# Altium PCB watchy-1.0.PcbDoc (continued)
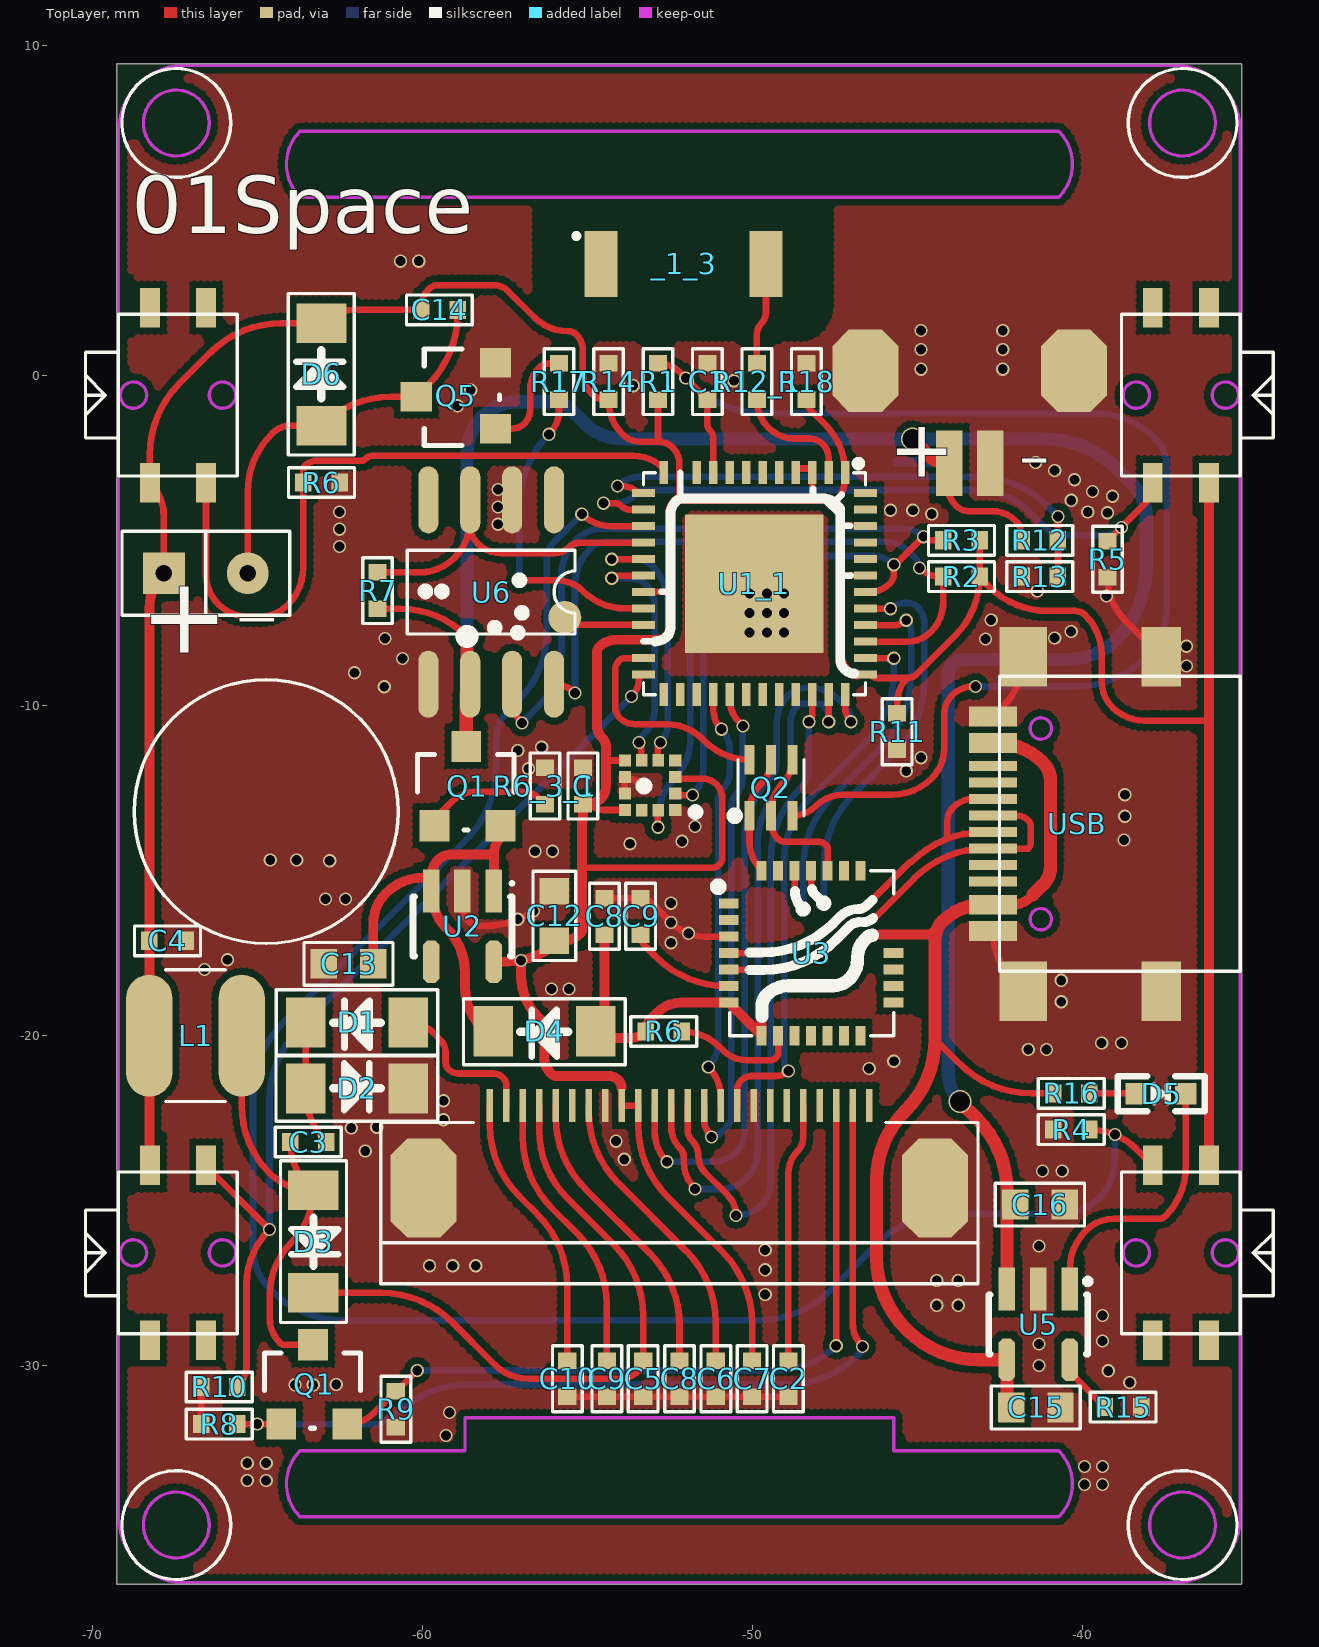
[diagram p0: TopLayer view]
## Nets (pads, with @x,y where several pads share a name; then routed paths per layer and width w, separated by ;. In a path a pad name is that pad's centre, name@x,y a point inside that pad or via, vN(x,y) a via of type N, cw(c..) or ccw(c..) an arc to the next point about the centre after c; other vN are vias at no path point) (continued)
  BottomLayer w0.2: v1(-54.525,-3.875) -54.179,-3.875 ccw(c-54.179,-3.021) -53.575,-3.625 cw(c-53.213,-3.987) -53.213,-3.475 -43.23,-3.475 cw(c-43.23,-5.78) -41.6,-4.15 -41.148,-4.603 ccw(c-40.55,-4.005) -40.55,-4.85 -39.396,-4.85 ccw(c-39.396,-4.043) v1(-38.825,-4.614)
BTN_3: ?.2@-66.575,-3.25 R6.1@-63.625,-3.25 U1_1.12 | length 21.5
  TopLayer w0.2: ?.2@-66.575,-3.25 -66.575,-6.035 ccw(c-65.295,-6.035) -66.2,-6.94 ccw(c-65.295,-6.035) -65.295,-7.315 -64.945,-7.315 ccw(c-64.945,-6.12) -64.1,-6.965 ccw(c-65.247,-5.818) -63.625,-5.818 -63.625,-2.859 cw(c-63.454,-2.859) -63.575,-2.739 cw(c-63.213,-3.101) -63.213,-2.589 -61.871,-2.589 ccw(c-61.871,-2.418) -61.75,-2.539 cw(c-61.509,-2.78) -61.509,-2.439 -53.633,-2.439 cw(c-53.633,-3.758) U1_1.12@-52.7,-2.825
BTN_4: ?.1@-66.575,-23.95 R10.1 U1_1.24 | length 29.1
  TopLayer w0.2: ?.1@-66.575,-23.95 ccw(c-66.542,-23.95) -66.565,-23.973 v1(-64.65,-25.889) ccw(c-62.966,-27.573) -65.348,-27.573 -65.348,-30 cw(c-66.287,-30) R10.1 ; v1(-53.675,-9.739) ccw(c-54.218,-9.195) -53.45,-9.195 U1_1.24@-53.45,-9.075
  BottomLayer w0.2: v1(-64.65,-25.889) -64.65,-21.984 cw(c-61.584,-21.984) -63.752,-19.816 v1(-53.675,-9.739)
BUSY: ?.9@-50.475,-22.14 U1_1.38 | length 16.7
  TopLayer w0.2: ?.9@-50.475,-22.14 -50.475,-21.672 cw(c-50.04,-21.672) -50.348,-21.364 cw(c-50.046,-21.666) -50.046,-21.239 -49.285,-21.239 ccw(c-49.285,-20.727) v1(-48.923,-21.089) ; U1_1.38@-46.45,-8.575 v1(-45.725,-8.575)
  BottomLayer w0.2: v1(-48.923,-21.089) cw(c-48.615,-20.782) -49.05,-20.782 -49.05,-14.7 cw(c-46.394,-14.7) -48.272,-12.822 -46.623,-11.173 ccw(c-48.791,-9.005) -45.725,-9.005 v1(-45.725,-8.575)
C3_1: C3.1 D1.2 D2.1 | length 3.8
  TopLayer w0.2: D1.2@-63.557,-20.112 cw(c-63.524,-20.112) D1.2@-63.548,-20.089 ; D1.2 -63.548,-21.597 cw(c-63.572,-21.597) D2.1 -63.555,-21.713 ccw(c-61.396,-21.713) C3.1
DC: ?.11@-51.475,-22.14 U1_1.29 | length 14.8
  TopLayer w0.2: ?.11@-51.475,-22.14 -51.475,-22.54 ccw(c-50.699,-22.54) v1(-51.248,-23.089) ; U1_1.29@-50.7,-9.825 ccw(c-49.733,-9.825) -50.417,-10.509 v1(-50.301,-10.625)
  BottomLayer w0.2: v1(-51.248,-23.089) ccw(c-51.248,-22.733) -50.996,-22.985 -50.787,-22.776 ccw(c-51.116,-22.446) -50.65,-22.446 -50.65,-13.061 cw(c-50.14,-13.061) -50.501,-12.7 ccw(c-50.983,-12.217) -50.471,-12.669 ccw(c-50.983,-12.217) -50.329,-12.411 ccw(c-50.983,-12.217) -50.301,-12.217 v1(-50.301,-10.625)
DIO0: 
DTR: Q2.1 Q2.5 U3.28 | length 3.6
  TopLayer w0.2: U3.28 cw(c-48.839,-14.124) -50.1,-14.124 -50.1,-13.219 cw(c-48.943,-13.219) -49.761,-12.401 ccw(c-50.512,-11.65) Q2.5
EN: C1.1 Q2.3 R1.2 U1_1.9 | length 39.1
  TopLayer w0.2: R1.2 cw(c-52.875,-0.606) -52.192,0.077 C1.1 -51.375,-1.484 ccw(c-51.119,-1.484) -51.3,-1.665 cw(c-51.541,-1.906) -51.2,-1.906 U1_1.9 ; Q2.3 ccw(c-48.8,-12.348) -48.092,-13.057 cw(c-47.267,-13.881) -47.267,-12.715 -45.782,-12.715 ccw(c-45.782,-11.008) -44.575,-12.215 ccw(c-45.48,-11.31) -44.2,-11.31 -44.2,-10.294 cw(c-43.346,-10.294) -43.95,-9.69 cw(c-43.33,-10.31) v1@-43.33,-9.433
  BottomLayer w0.2: v1(-52.031,-0.084) -51.869,-0.246 ccw(c-49.701,1.922) -49.701,-1.144 -39.657,-1.144 cw(c-39.657,-3.771) -37.8,-1.914 cw(c-38.645,-2.759) -37.45,-2.759 -37.45,-7.035 cw(c-39.572,-7.035) -38.071,-8.535 cw(c-40.24,-6.367) -40.24,-9.433 v1(-43.25,-9.433)
GDR: ?.2@-46.975,-22.14 Q1.1@-64.298,-31.789 R8.1 | length 27.8
  TopLayer w0.2: R8.1 Q1.1@-64.298,-31.789 ; ?.2@-46.975,-22.14 -46.975,-28.709 ccw(c-45.943,-28.709) v1(-46.673,-29.439)
  BottomLayer w0.2: v1(-65.023,-31.789) -61.525,-31.789 ccw(c-61.525,-30.758) -60.796,-31.487 cw(c-58.628,-33.655) -58.628,-30.589 -48.968,-30.589 ccw(c-48.968,-27.523) -46.8,-29.691 -46.761,-29.653 ccw(c-46.974,-29.439) v1(-46.673,-29.439)
GND: ?. ?.1@-42.8,-2.665 ?.1@-52.351,-13.175 ?.8 ?.9@-53.876,-12.675 ?.17 C1.2 C2.2 C4.2 C5.2 C6.2 C7.2 C8.2 C9.2 C10.2 C12.2 C13.2 C15.2 C16.2 C.2 D2.2 Q5.2 R4.2 R5.2 R6.2@-62.525,-3.25 R6_3_1.2 R8.2 R9.2 R10.2 R11.2 R13.2 R14.2 R15.2 R18.2 U1_1. U2.2 U3.3 U5.2 U6.2 U6.5 USB. USB.1 USB.12 | length 26.2
  TopLayer w0.2: R8.2 R10.2 ; U2.2 -58.8,-16.153 ccw(c-58.288,-16.153) -58.65,-16.515 ccw(c-58.228,-16.092) -58.228,-16.69 -58.15,-16.69 ccw(c-58.15,-13.974) -56.229,-15.894 -56.028,-15.693 cw(c-55.914,-15.807) C12.2@-55.914,-15.646 ; Q5.2@-57.825,0.445 ccw(c-57.74,0.445) Q5.2 ; C10.2@-55.523,-30.964 C2.2 ; C8.2@-54.5,-15.85 -53.4,-15.85 cw(c-53.4,-16.297) -53.084,-15.981 v1(-52.475,-16.59) ccw(c-51.448,-15.563) -51.448,-17.016 U3.3 ; ?.9@-53.876,-12.725 -53.876,-12.225 -53.844,-12.225 cw(c-53.844,-12.993) v1(-53.301,-12.45) ; USB.1 ccw(c-40.53,-16.845) -42.075,-18.39 USB.@-41.8,-18.665 ; USB.12 -42.44,-10.07 ccw(c-43.985,-8.525) -41.8,-8.525 cw(c-41.679,-8.404) USB.@-41.85,-8.404 ; R5.2 ccw(c-37.391,-6.125) -38.706,-7.439 USB.@-37.62,-8.525
  BottomLayer w0.2: -45.499,-2.625 -44.76,-2.625
  BottomLayer w0.3: -45.625,-2.625 -44.646,-2.625
  other v1: -39.95,-33.625 -39.4,-33.625 -65.325,-33.5 -64.75,-33.5 -39.95,-33.075 -39.4,-33.075 -65.325,-32.975 -64.75,-32.975 -59.298,-32.139 -59.198,-31.439 -63.873,-30.6 -63.323,-30.6 -62.626,-30.589 -38.576,-30.525 -39.226,-30.175 -41.323,-30.014 -41.323,-29.364 -39.401,-29.275 -39.401,-28.5 -44.423,-28.189 -43.773,-28.189 -49.626,-27.864 -44.423,-27.439 -43.773,-27.439 -49.626,-27.114 -59.798,-26.989 -59.098,-26.989 -58.398,-26.989 -49.626,-26.514 -41.323,-26.389 -41.223,-24.114 -40.623,-24.114 -53.898,-23.764 -61.748,-23.514 -54.148,-23.214 -62.173,-22.814 -61.398,-22.789 -59.375,-22.564 -59.375,-21.989 -46.473,-21.014 -45.725,-20.79 -41.65,-20.439 -41.1,-20.439 -39.425,-20.239 -38.825,-20.239 -40.65,-18.989 -56.1,-18.6 -55.575,-18.6 -40.65,-18.339 -66.623,-18.014 -65.923,-17.714 -52.475,-17.2 -51.95,-16.914 -57.125,-16.489 -56.65,-16.239 -52.475,-16 -62.951,-15.875 -62.351,-15.875 -62.826,-14.714 -64.626,-14.689 -63.826,-14.689 -56.6,-14.425 -56.075,-14.425 -53.726,-14.2 -52.151,-14.125 -38.748,-14.089 -51.751,-13.675 -38.723,-13.364 -38.723,-12.714 -45.35,-11.99 -56.8,-11.925 -44.9,-11.59 -57.125,-11.375 -56.4,-11.275 -61.173,-9.439 -62.073,-9.014 -36.85,-8.814 -60.616,-8.582 -36.85,-8.214 -42.95,-7.989 -61.15,-7.975 -40.85,-7.964 -57.125,-7.8 -50.101,-7.8 -49.576,-7.8 -49.051,-7.8 -40.35,-7.764 -57.826,-7.65 -42.775,-7.414 -57,-7.2 -50.101,-7.2 -49.576,-7.2 -49.051,-7.2 -39.275,-6.689 -50.1,-6.615 -49.575,-6.615 -49.05,-6.615 -59.926,-6.55 -59.426,-6.55 -41.375,-6.539 -62.525,-5.189 -62.525,-4.664 -57.725,-4.514 -44.575,-4.2 -39.248,-4.164 -62.525,-4.139 -39.848,-4.139 -45.825,-4.089 -45.15,-4.089 -57.725,-3.989 -40.348,-3.789 -39.098,-3.664 -39.701,-3.525 -57.725,-3.464 -40.25,-3.164 -40.85,-2.889 -41.425,-2.639 -58.95,-0.925 -58.55,-0.45 -53.625,-0.314 -50.575,-0.164 -44.9,0.186 -42.425,0.186 -44.9,0.786 -42.425,0.786 -44.9,1.361 -42.425,1.361 -60.675,3.46 -60.125,3.46
I-GND: pad. U1_1.21 | length 2.4
  TopLayer w0.2: pad. ccw(c-55.153,-6.792) -55.153,-7.565 U1_1.21
IO0: Q2.6 U1_1.23 | length 6.7
  TopLayer w0.2: U1_1.23@-53.45,-8.575 -53.893,-8.575 ccw(c-53.893,-8.797) -54.05,-8.64 ccw(c-53.748,-8.942) -54.175,-8.942 -54.175,-10.028 ccw(c-53.663,-10.028) -54.025,-10.39 ccw(c-53.578,-9.943) -53.578,-10.575 -52.611,-10.575 cw(c-52.611,-12.111) -51.525,-11.025 -51.466,-11.084 ccw(c-50.1,-9.719) Q2.6
IO14: 
IO18: 
IO23: 
IO32: 
IO34: 
IO35: 
LCD_5: ?.5@-48.475,-22.14 C2.1 | length 7.8
  TopLayer w0.2: C2.1 -48.923,-24.213 cw(c-47.898,-24.213) -48.623,-23.489 ccw(c-48.979,-23.133) -48.475,-23.133 ?.5@-48.475,-22.14
LCD_18: ?.18 C6.1 | length 9.2
  TopLayer w0.2: ?.18 -54.975,-22.317 ccw(c-51.909,-22.317) -54.077,-24.485 -52.021,-26.541 cw(c-54.189,-28.709) -51.123,-28.709 C6.1 cw(c-51.123,-29.638) C6.1@-51.282,-29.798
LCD_20: ?.20 C8.1@-52.223,-29.864 | length 9
  TopLayer w0.2: ?.20 -55.975,-22.492 ccw(c-52.909,-22.492) -55.077,-24.66 -53.121,-26.616 cw(c-55.289,-28.784) -52.223,-28.784 C8.1@-52.223,-29.864
LCD_22: ?.22 C9.1@-54.423,-29.864 | length 8.5
  TopLayer w0.2: ?.22 -56.975,-23.092 ccw(c-53.909,-23.092) -56.077,-25.26 -55.321,-26.016 cw(c-57.489,-28.184) -54.423,-28.184 C9.1@-54.423,-29.864
LCD_24: ?.24 C10.1 | length 8.6
  TopLayer w0.2: ?.24 -57.975,-22.717 ccw(c-54.909,-22.717) -57.077,-24.885 -56.521,-25.441 cw(c-58.689,-27.609) -55.623,-27.609 C10.1 ; C10.1@-55.673,-29.714 C10.1@-55.523,-29.864
LNA_IN: R12_1.1 U1_1.2 | length 3.5
  TopLayer w0.2: R12_1.1 ccw(c-48.668,-0.74) -49.521,-1.594 ccw(c-48.745,-0.818) -48.745,-1.915 -48.297,-1.915 cw(c-48.297,-2.512) -47.875,-2.09 cw(c-48.297,-2.512) -47.7,-2.512 U1_1.2@-47.7,-2.825
M-: ?.2@-65.31,-6 C14.1 D6.1 Q5.3 | length 12.1
  TopLayer w0.2: ?.2@-65.31,-6 -65.31,-3.539 cw(c-62.8,-3.539) -64.575,-1.765 cw(c-63.989,-2.351) -63.989,-1.522 D6.1 cw(c-60.968,-3.629) -60.968,-0.65 Q5.3 -59.848,-0.298 ccw(c-62.016,1.87) -58.95,1.87 C14.1
MISO: 
MOSI: ?.14 U1_1.36 | length 21.4
  TopLayer w0.2: ?.14 -52.975,-22.928 ccw(c-51.687,-22.928) v1(-52.598,-23.839) ; U1_1.36@-47.2,-9.825 -47.2,-10.078 ccw(c-46.603,-10.078) v1(-47.025,-10.5)
  BottomLayer w0.2: v1(-52.598,-23.839) -51.222,-23.839 ccw(c-51.222,-22.815) -50.498,-23.539 ccw(c-51.096,-22.941) -50.25,-22.941 -50.25,-14.096 cw(c-47.604,-14.096) -49.475,-12.225 ccw(c-49.958,-11.742) -49.275,-11.742 -49.275,-10.545 cw(c-48.08,-10.545) -48.925,-9.7 cw(c-48.382,-10.243) -48.382,-9.475 -48.25,-9.475 cw(c-48.25,-10.682) -47.396,-9.829 -47.237,-9.988 cw(c-47.749,-10.5) v1(-47.025,-10.5)
NET-(U2-PAD4): 
NET-(U2-PAD11): 
NetC9_1: C9.1@-53.4,-16.95 U3.6 | length 3.3
  TopLayer w0.2: C9.1@-53.4,-16.95 ccw(c-52.881,-16.95) -53.248,-17.317 -52.947,-17.618 ccw(c-50.779,-15.45) -50.779,-18.516 U3.6
NetD2_1: D5.1 R16.2 | length 1.4
  TopLayer w0.2: R16.2 -38.396,-21.765 cw(c-38.396,-21.8) D5.1
NetR6_2: R6.2@-52.148,-19.889 U3.9 | length 3.8
  TopLayer w0.2: R6.2@-52.148,-19.889 cw(c-52.148,-21.519) -50.995,-20.366 -50.898,-20.464 ccw(c-50.173,-19.74) -50.173,-20.764 -49.479,-20.764 ccw(c-49.479,-20.508) -49.298,-20.689 ccw(c-49.459,-20.528) -49.231,-20.528 U3.9
NetU2_2: 
NetUSB_3: 
NetUSB_4: 
NSS: 
PREVGH: ?.21 C5.1 D3.2 | length 19.9
  TopLayer w0.2: D3.2 -61.27,-27.812 cw(c-61.27,-30.878) -59.102,-28.71 -57.822,-29.989 ccw(c-56.797,-28.963) -56.797,-30.414 -54.053,-30.414 ccw(c-54.053,-29.556) -53.446,-30.163 ccw(c-53.745,-29.864) C5.1 -53.323,-28.509 ccw(c-56.389,-28.509) -54.221,-26.341 -55.623,-24.939 cw(c-53.565,-22.881) -56.475,-22.881 ?.21
PREVGL: ?.23 D1.1 | length 4.7
  TopLayer w0.2: D1.1 cw(c-60.443,-20.689) -59.683,-19.929 -59.473,-20.139 cw(c-59.851,-20.518) -59.316,-20.518 -59.316,-20.814 ccw(c-58.998,-20.814) -59.223,-21.039 ccw(c-58.921,-20.737) -58.921,-21.164 -57.874,-21.164 cw(c-57.874,-21.591) -57.573,-21.289 cw(c-57.808,-21.525) -57.475,-21.525 ?.23
PROG: R15.1 U5.5 | length 1.8
  TopLayer w0.2: U5.5 ccw(c-39.519,-29.839) -40.14,-30.461 R15.1
Q1_3: C3.2 D3.1 L1.2 Q1.3@-63.332,-29.389 | length 13.6
  TopLayer w0.2: L1.2 -65.493,-22.137 ccw(c-62.591,-22.137) -64.643,-24.189 ccw(c-63.393,-22.939) -63.393,-24.707 D3.1 ; C3.2 ccw(c-62.167,-23.239) -63.479,-24.551 D3.1 ; Q1.3@-63.332,-29.389 -64.202,-29.389 cw(c-64.202,-29.218) -64.323,-29.339 cw(c-63.538,-28.555) -64.648,-28.555 -64.648,-27.904 cw(c-62.319,-27.904) -63.966,-26.257 ccw(c-65.516,-24.707) D3.1
Q4_1: Q1.1@-59.65,-13.65 R6_3_1.1 | length 4.7
  TopLayer w0.2: Q1.1@-59.65,-13.65 cw(c-59.166,-13.65) -59.508,-13.308 -59.101,-12.9 cw(c-58.437,-13.564) -58.437,-12.625 -56.955,-12.625 cw(c-56.955,-13.302) -56.477,-12.823 R6_3_1.1 ; Q1.1@-59.625,-13.975 cw(c-58.635,-13.975) -59.335,-13.275 Q1.1@-59.325,-13.265
Q5_1: Q5.1 R17.2 | length 3.4
  TopLayer w0.2: Q5.1 -57.287,-1.615 ccw(c-57.287,-1.103) -56.925,-1.465 ccw(c-57.347,-1.043) -56.75,-1.043 -56.75,-0.429 cw(c-55.811,-0.429) -56.475,0.235 cw(c-56.173,-0.067) -56.173,0.36 R17.2
RES: ?.10@-50.975,-22.14 U1_1.28 | length 12.7
  TopLayer w0.2: v1(-51.348,-20.964) cw(c-52.247,-21.864) -50.975,-21.864 ?.10@-50.975,-22.14 ; U1_1.28@-51.2,-9.825 -51.2,-10.123 ccw(c-50.348,-10.123) v1(-50.951,-10.725)
  BottomLayer w0.2: v1(-51.348,-20.964) ccw(c-52.065,-20.247) -51.051,-20.247 -51.051,-12.887 cw(c-50.538,-12.887) -50.901,-12.525 ccw(c-51.383,-12.042) -50.701,-12.042 -50.701,-11.329 ccw(c-51.554,-11.329) v1(-50.951,-10.725)
RESE: ?.3@-47.475,-22.14 Q1.2@-62.298,-31.789 R9.1 | length 22.9
  TopLayer w0.2: Q1.2@-62.298,-31.789 ccw(c-62.298,-30.642) -61.487,-31.453 R9.1 ccw(c-60.823,-30.729) -60.78,-30.772 v1(-60.173,-30.164) ; ?.3@-47.475,-22.14 -47.475,-29.409 ccw(c-47.467,-29.409) v1(-47.473,-29.414)
  BottomLayer w0.2: v1(-60.173,-30.164) -49.283,-30.164 ccw(c-49.283,-27.604) v1(-47.473,-29.414)
RST: 
RTC_INT: R7.1 U1_1.16 U6.3 | length 10.2
  TopLayer w0.2: R7.1 -60.1,-5.975 ccw(c-60.1,-4.49) -59.05,-5.54 ccw(c-60.221,-4.369) U6.3@-58.565,-4.369 ; U6.3 -58.565,-4.571 ccw(c-57.831,-4.571) -58.35,-5.09 ccw(c-57.626,-4.366) -57.626,-5.39 -55.997,-5.39 ccw(c-55.997,-4.792) -55.575,-5.215 cw(c-55.237,-5.553) -55.237,-5.075 U1_1.16@-53.45,-5.075
RTS: Q2.2 Q2.4 U3.24 | length 4.9
  TopLayer w0.2: Q2.4 cw(c-49.802,-11.65) -49.093,-12.358 ccw(c-48.233,-13.219) -49.45,-13.219 -49.45,-13.557 ccw(c-48.767,-13.557) -49.25,-14.04 ccw(c-49.009,-13.799) -49.009,-14.14 -48.016,-14.14 cw(c-48.016,-14.481) -47.775,-14.24 cw(c-47.882,-14.347) -47.731,-14.347 U3.24
RXD: 
SCK: ?.13 U1_1.35 | length 21.1
  TopLayer w0.2: ?.13 -52.475,-22.77 ccw(c-51.528,-22.77) -52.198,-23.439 cw(c-52.439,-23.681) -52.098,-23.681 -52.098,-23.819 ccw(c-50.903,-23.819) v1(-51.748,-24.664) ; v1(-47.7,-10.5) U1_1.35@-47.7,-9.825
  BottomLayer w0.2: v1(-51.748,-24.664) -50.982,-24.664 ccw(c-50.982,-23.555) -50.198,-24.339 -50.174,-24.315 ccw(c-50.956,-23.533) -49.85,-23.533 -49.85,-14.144 cw(c-47.631,-14.144) -49.2,-12.575 ccw(c-50.045,-11.73) -48.85,-11.73 -48.85,-10.475 cw(c-48.246,-10.475) -48.673,-10.048 -48.625,-10 cw(c-48.504,-10.121) -48.504,-9.95 -47.935,-9.95 cw(c-47.935,-10.035) -47.875,-9.975 cw(c-48.297,-10.397) -47.7,-10.397 v1(-47.7,-10.5)
SCL: ?.12@-52.863,-13.187 R2.2 U1_1.39 U6.8 | length 29.5
  TopLayer w0.2: U6.8 cw(c-56.025,-10.264) v1(-55.388,-9.627) ; v1(-52.876,-13.7) ?.12@-52.876,-13.225 ; U1_1.39@-46.45,-8.075 -45.324,-8.075 ccw(c-45.324,-7.051) -44.6,-7.775 ccw(c-45.505,-6.87) -44.225,-6.87 R2.2 -44.322,-6.1 cw(c-44.322,-5.212) v1(-44.95,-5.84)
  BottomLayer w0.2: v1(-55.388,-9.627) -55.388,-6.368 cw(c-53.807,-6.368) -54.925,-5.25 cw(c-54.442,-5.733) -54.442,-5.05 -45.975,-5.05 cw(c-45.975,-6.04) -45.275,-5.34 -45.074,-5.541 cw(c-45.372,-5.84) v1(-44.95,-5.84) ; v1(-52.876,-13.7) -52.876,-13.432 cw(c-51.168,-13.432) -52.376,-12.225 ccw(c-53.522,-11.078) -51.901,-11.078 -51.901,-5.11 cw(c-51.815,-5.11) -51.876,-5.05
SDA: ?.2@-52.351,-12.675 R3.2 U1_1.42 U6.7 | length 34.7
  TopLayer w0.2: U6.7 -57.295,-9.828 ccw(c-56.288,-9.828) v1(-57,-10.54) ; ?.2@-52.376,-12.725 v1(-51.826,-12.725) ; U1_1.42 -46.454,-6.565 ccw(c-46.454,-5.711) -45.85,-6.315 ccw(c-46.152,-6.013) -45.725,-6.013 v1(-45.725,-5.74) ccw(c-45.725,-5.619) -45.64,-5.705 v1(-44.825,-4.89) ccw(c-44.559,-4.624) -44.559,-5 R3.2
  BottomLayer w0.2: v1(-57,-10.54) -56.553,-10.093 ccw(c-58.371,-8.275) -55.8,-8.275 -55.8,-6.061 cw(c-54.264,-6.061) -55.35,-4.975 cw(c-54.565,-5.76) -54.565,-4.65 -45.404,-4.65 cw(c-45.404,-5.469) v1(-44.825,-4.89) ; v1(-51.826,-12.725) ccw(c-52.61,-11.94) -51.501,-11.94 -51.501,-6.329 cw(c-50.647,-6.329) -51.251,-5.725 cw(c-50.647,-6.329) -50.647,-5.475 -46.365,-5.475 cw(c-46.365,-6.38) v1(-45.725,-5.74)
SS: ?.12@-51.975,-22.14 U1_1.34 | length 20.4
  TopLayer w0.2: ?.12@-51.975,-22.14 -51.975,-22.882 ccw(c-51.54,-22.882) -51.848,-23.189 cw(c-52.331,-23.672) -51.648,-23.672 ccw(c-50.942,-23.672) -51.441,-24.171 -50.762,-24.85 cw(c-51.375,-25.464) v1(-50.507,-25.464) ; v1(-48.3,-10.5) ccw(c-48.541,-10.259) -48.2,-10.259 U1_1.34@-48.2,-9.825
  BottomLayer w0.2: v1(-50.507,-25.464) ccw(c-50.507,-24.355) -49.723,-25.139 ccw(c-50.381,-24.481) -49.45,-24.481 -49.45,-14.67 cw(c-46.384,-14.67) -48.552,-12.502 -48.55,-12.5 ccw(c-49.154,-11.896) -48.3,-11.896 v1(-48.3,-10.5)
STAT: D5.2 U5.1 | length 8.3
  TopLayer w0.2: U5.1 -40.398,-27.121 cw(c-38.691,-27.121) -39.898,-25.914 cw(c-39.053,-26.759) -39.053,-25.564 -37.679,-25.564 ccw(c-37.679,-25.308) -37.498,-25.489 ccw(c-39.01,-23.977) -36.871,-23.977 D5.2
TXD: 
U0RXD: U1_1.40 U3.26 | length 12.3
  TopLayer w0.2: U3.26 -48.731,-15.557 ccw(c-47.858,-15.557) v1(-48.475,-16.175) ; U1_1.40@-46.45,-7.575 -45.712,-7.575 ccw(c-45.712,-7.063) v1(-45.35,-7.425)
  BottomLayer w0.2: v1(-48.475,-16.175) -48.475,-14.92 cw(c-45.409,-14.92) -47.577,-12.752 -46.098,-11.273 ccw(c-48.266,-9.105) -45.2,-9.105 -45.2,-7.787 ccw(c-45.712,-7.787) v1(-45.35,-7.425)
U0TXD: U1_1.41 U3.25 | length 12.7
  TopLayer w0.2: U3.25 -48.231,-15.449 ccw(c-47.699,-15.449) -48.075,-15.825 -47.935,-15.965 ccw(c-47.85,-15.879) v1(-47.85,-16) ; U1_1.41@-46.45,-7.075 v1(-45.825,-7.075)
  BottomLayer w0.2: v1(-47.85,-16) -47.85,-14.87 cw(c-44.784,-14.87) -46.952,-12.702 -45.698,-11.448 ccw(c-47.866,-9.28) -44.8,-9.28 -44.8,-7.508 ccw(c-45.483,-7.508) -45,-7.025 ccw(c-45.302,-7.327) -45.302,-6.9 -45.403,-6.9 ccw(c-45.403,-7.497) v1(-45.825,-7.075)
U2_EN: 
U2_IN: C13.1 D4.2 Q1.2@-57.65,-13.65 U2.1 U2.3 | length 12.8
  TopLayer w0.2: U2.3@-59.962,-15.218 -59.75,-15.218 U2.3 ; -57.866,-14.525 ccw(c-57.866,-14.502) -57.85,-14.518
  TopLayer w0.3: C13.1 -61.505,-16.615 cw(c-60.211,-16.615) -61.126,-15.7 cw(c-59.962,-16.863) U2.3@-59.962,-15.218 ; U2.3 ccw(c-58.121,-15.625) -59.273,-16.777 cw(c-60.595,-18.1) -58.725,-18.1 -58.725,-18.538 ccw(c-56.961,-18.538) D4.2@-58.208,-19.785 ; U2.3@-59.75,-15.218 cw(c-58.982,-15.218) -59.525,-14.675 cw(c-59.163,-15.037) -59.163,-14.525 -57.867,-14.525 ; U2.1 -57.85,-14.518 cw(c-57.082,-14.518) Q1.2@-57.625,-13.975
USB_DM: U3.5 USB.5 USB.7 | length 12.3
  TopLayer w0.2: U3.5 -49.661,-18.016 ccw(c-49.661,-14.95) -47.493,-17.118 -47.109,-16.734 cw(c-46.725,-17.118) -46.725,-16.575 ccw(c-46.725,-15.875) -46.23,-16.37 -45.103,-15.243 cw(c-42.935,-17.411) -42.935,-14.345 -41.662,-14.345 ccw(c-41.662,-14.328) -41.65,-14.34 ccw(c-41.831,-14.159) -41.575,-14.159 -41.575,-13.671 ccw(c-41.831,-13.671) -41.65,-13.49 ccw(c-42,-13.84) -42,-13.345 USB.7
USB_DP: U3.4 USB.6 USB.8 | length 11.5
  TopLayer w0.2: U3.4 -49.736,-17.516 ccw(c-49.736,-14.45) -47.568,-16.618 -47.39,-16.44 cw(c-46.75,-17.08) -46.75,-16.175 ccw(c-46.75,-15.934) -46.579,-16.104 -45.246,-14.771 cw(c-45.178,-14.84) -45.178,-14.743 cw(c-43.01,-16.911) -43.01,-13.845 USB.6 ; -44.1,-14.015 -44.1,-13.512 cw(c-43.503,-13.512) -43.925,-13.09 cw(c-43.334,-13.681) -43.334,-12.845 USB.8
VBUS: 
VCC_3.3V: 
VCC_USB_5V: C8.1@-54.5,-16.95 C15.1 D4.1 R6.1@-53.248,-19.889 R16.1 U3.7 U3.8 U5.4 USB.2 USB.11 | length 47.2
  TopLayer w0.2: D4.1@-54.843,-20.088 ccw(c-55.67,-19.261) D4.1@-54.5,-19.261 ; -47.075,-18.3 -47.003,-18.228 ; -45.35,-28.912 -45.321,-28.941 ; -44.525,-16.874 -44.39,-16.739 ; -44.476,-20.122 -43.731,-20.867 ccw(c-41.563,-18.699) -41.563,-21.765 R16.1 ; USB.11 USB.11@-42.636,-11.145 ; C15.1@-42.298,-30.982 ccw(c-41.867,-30.982) C15.1 ; -41.575,-15.815 -41.507,-15.747
  TopLayer w0.3: D4.1@-54.843,-20.088 -53.729,-20.088 ccw(c-53.729,-19.408) -53.248,-19.889 cw(c-52.704,-19.889) -53.089,-19.505 -52.898,-19.314 cw(c-52.177,-20.035) -52.177,-19.016 U3.7 U3.8 -49.731,-19.105 cw(c-49.31,-19.105) -49.608,-18.808 cw(c-48.925,-19.49) -48.925,-18.525 -47.618,-18.525 ccw(c-47.618,-17.757) -47.075,-18.3 ; D4.1@-54.5,-19.261 C8.1@-54.5,-16.95 ; -47.003,-18.228 ccw(c-47.43,-17.8) -46.826,-17.8 -46.826,-17.633 cw(c-46.143,-17.633) -46.626,-17.15 cw(c-46.143,-17.633) -46.143,-16.95 -44.708,-16.95 ccw(c-44.708,-16.691) -44.525,-16.874 ; USB.2@-42.13,-16.045 ccw(c-42.13,-15.26) -41.575,-15.815
  TopLayer w0.4: -45.35,-28.912 cw(c-43.182,-26.744) -46.248,-26.744 -46.248,-24.4 cw(c-43.263,-24.4) -45.374,-22.29 ccw(c-47.542,-20.122) -44.476,-20.122 -44.476,-17.093 cw(c-43.707,-17.093) -44.388,-16.737 cw(c-43.707,-17.093) -44.251,-16.55 cw(c-43.031,-17.769) -43.031,-16.045 USB.2 ; -45.321,-28.941 ccw(c-43.153,-26.773) -43.153,-29.839 U5.4 C15.1@-42.298,-30.982 ; USB.11@-42.636,-11.145 cw(c-42.636,-13.176) -41.2,-11.74 cw(c-41.743,-12.283) -40.975,-12.283 -40.975,-14.908 cw(c-41.715,-14.908) -41.192,-15.432 -41.507,-15.747
VIB_PWM: R17.1 U1_1.20 | length 9.8
  TopLayer w0.2: v1(-57.075,-6.214) -55.935,-6.214 cw(c-55.935,-7.323) -55.15,-6.539 ccw(c-53.879,-5.268) -53.879,-7.065 U1_1.20 ; v1(-56.175,-1.789) ccw(c-56.899,-1.064) -55.875,-1.064 R17.1
  BottomLayer w0.2: v1(-57.075,-6.214) -57.075,-3.959 cw(c-54.009,-3.959) v1@-56.177,-1.791 ; v1@-56.177,-1.791 cw(c-55.431,-2.532) v1(-56.175,-1.789) v1@-56.177,-1.791
pads on no net: ?.1@-37.875,-29.25 ?.1@-46.475,-22.14 ?.1@-66.575,2.05 ?.2@-37.875,2.05 ?.2@-66.575,-29.25 ?.3@-36.175,-29.25 ?.3@-68.275,2.05 ?.4@-36.175,2.05 ?.4@-47.975,-22.14 ?.4@-52.351,-11.675 ?.4@-68.275,-29.25 ?.6@-48.975,-22.14 ?.7@-49.475,-22.14 ?.11@-53.363,-13.187 ?.19 _1_3.2 U1_1.5 U1_1.6 U1_1.7 U1_1.8 U1_1.10 U1_1.11 U1_1.22 U1_1.25 U1_1.26 U1_1.27 U1_1.30 U1_1.31 U1_1.32 U1_1.33 U1_1.44 U1_1.45 U1_1.47 U1_1.48 U2.4 U3.1 U3.2 U3.10 U3.11 U3.12 U3.13 U3.14 U3.15 U3.16 U3.17 U3.18 U3.19 U3.20 U3.21 U3.22 U3.23 U3.27 U6.1 U6.4 USB.3 USB.4 USB.9 USB.10

## Polygon pours and split planes (outlines as drawn)
GND on TopLayer "TopLayer-GND" (hatched 90Degree grid 0.2 track 0.3, remove dead copper, pour order 2): -74.375,8.436 -74.375,-45.289 -27.2,-45.289 -27.2,12.286 -74.475,12.286 -74.475,8.361
GND on BottomLayer "BottomLayer-GND" (hatched 90Degree grid 0.2 track 0.3, remove dead copper, pour order 4): -72.425,9.961 -72.425,-41.389 -30.75,-41.389 -30.75,11.836 -72.35,11.836 -72.35,9.986

## Keep-outs
KeepOutLayer:
  circle w0.1: c-67.475,7.65 r1
  circle w0.1: c-36.975,-34.85 r1
  circle w0.1: c-36.975,7.65 r1
  circle w0.1: c-67.475,-34.85 r1
  lines w0.1: -69.225,-34.6 ccw(c-67.225,-34.6) -67.225,-36.6 -37.225,-36.6 ccw(c-37.225,-34.6) -35.225,-34.6 -35.225,7.4 ccw(c-37.225,7.4) -37.225,9.4 -67.225,9.4 ccw(c-67.225,7.4) -69.225,7.4 -69.225,-34.6 ; -63.725,-34.6 cw(c-62.725,-33.6) -63.725,-32.6 -58.725,-32.6 -58.725,-31.6 -45.725,-31.6 -45.725,-32.6 -40.725,-32.6 cw(c-41.725,-33.6) -40.725,-34.6 -63.725,-34.6 ; -63.725,5.4 cw(c-62.725,6.4) -63.725,7.4 -40.725,7.4 cw(c-41.725,6.4) -40.725,5.4 -63.725,5.4

## Silkscreen, mask and mechanical layers (free items; w line width, h text height)
TopOverlay:
  circle w0.4: c-58.66,-7.914 r0.146
  circle w0.254: c-57.125,-7.8 r0.112
  circle w0.254: c-59.926,-6.55 r0.112
  circle w0.254: c-57.826,-7.65 r0.112
  circle w0.254: c-57,-7.2 r0.112
  circle w0.254: c-57.075,-6.214 r0.112
  circle w0.254: c-59.426,-6.55 r0.112
  circle w0.254: c-47.85,-16 r0.106
  circle w0.254: c-48.475,-16.175 r0.106
  circle w0.254: c-53.301,-12.45 r0.127
  circle w0.3: c-50.55,-13.35 r0.1
  circle w0.254: c-51.737,-13.237 r0.112
  circle w0.1: c-64.751,-13.225 r4
  circle w0.1: c-67.475,7.65 r1.65
  circle w0.1: c-67.475,-34.85 r1.65
  circle w0.1: c-36.975,7.65 r1.65
  circle w0.1: c-36.975,-34.85 r1.65
  circle w0.254: c-46.8,-2.675 r0.079
  circle w0.254: c-51.05,-15.5 r0.127
  circle w0.254: c-55.35,4.225 r0.025
  lines w0.2: -53.315,-8.065 -52.966,-8.065 ; -52.775,-6.564 -52.5,-6.564 ; -52.2,-2.95 -52.2,-3.603 ccw(c-52.009,-3.603) -52.144,-3.739 ; -48.513,-16.137 -48.475,-16.175 ; -48.175,-3.739 -48.175,-3.439 ; -47.827,-3.739 ccw(c-47.769,-3.739) -47.81,-3.779 -47.351,-4.239 ; -47.49,-3.778 ccw(c-47.404,-3.864) -47.525,-3.864 cw(c-47.465,-3.864) -47.507,-3.821 -47.3,-3.614 ; -47.351,-6.1 cw(c-47.29,-6.16) -47.29,-6.075 -47.053,-6.075 ccw(c-47.053,-6.036) -47.025,-6.064 ; -47.351,-4.564 -47.05,-4.564 ; -47.244,-8.881 -47.235,-8.891 -47.201,-8.924 ; -47.075,-18.3 -47.072,-18.297 ; -46.825,-17.7 -46.825,-17.643 ; -46.775,-16.575 -46.652,-16.575 ; -46.6,-17.1 -46.546,-17.046
  lines w0.3: -52.966,-8.065 ccw(c-52.966,-7.548) -52.6,-7.914 ccw(c-52.841,-7.672) -52.5,-7.672 -52.5,-4.236 cw(c-51.903,-4.236) -52.325,-3.814 cw(c-52.144,-3.995) -52.144,-3.739 -47.827,-3.739 cw(c-47.827,-4.165) -47.525,-3.864 -47.379,-4.009 cw(c-47.448,-4.079) -47.351,-4.079 -47.351,-8.625 ccw(c-46.988,-8.625) -47.244,-8.881 ; -50.1,-18.025 -49.67,-18.025 ccw(c-49.67,-14.959) -47.502,-17.127 -47.074,-16.699 cw(c-46.775,-16.997) -46.775,-16.575 ; -50.1,-17.5 -49.72,-17.5 ccw(c-49.72,-14.434) -47.552,-16.602 -47.355,-16.405 cw(c-46.8,-16.96) -46.8,-16.175 ccw(c-46.8,-15.813) -46.544,-16.069 -46.375,-15.9 ; -48.725,-15.625 ccw(c-48.001,-15.625) -48.513,-16.137 ; -48.2,-15.575 ccw(c-48.019,-15.575) -48.147,-15.703 -47.85,-16 ; -47.201,-8.924 ccw(c-46.925,-8.648) -46.925,-9.039 ; -46.652,-16.575 ccw(c-46.652,-16.148) -46.35,-16.45
  lines w0.4: -49.725,-19.425 -49.725,-19.137 cw(c-49.213,-19.137) -49.575,-18.775 cw(c-48.911,-19.439) -48.911,-18.5 -47.558,-18.5 ccw(c-47.558,-17.817) -47.075,-18.3 ; -47.073,-18.297 ccw(c-47.67,-17.7) -46.825,-17.7 ; -46.825,-17.643 cw(c-46.057,-17.643) -46.6,-17.1 ; -46.546,-17.046 cw(c-46.375,-17.216) -46.375,-16.975
  text "01Space" at -68.825,3.725 h3
  text "+" at -45.875,-3.65 h3
  text "-" at -41.975,-3.95 h3.5
  text "+" at -68.575,-9.175 h4
  text "-" at -65.75,-9.35 h5
BottomOverlay:
  circle w0.1: c-36.975,7.65 r1.65
  circle w0.1: c-67.475,-34.85 r1.65
  circle w0.1: c-36.975,-34.85 r1.65
  circle w0.1: c-67.475,7.65 r1.65
  lines w0.1: -68.125,-32.373 -36.325,-32.373 -36.325,4.947 -68.125,4.947 -68.125,-32.373